# Altium PCB ADAPTONE_CARTE_DE_SON.PcbDoc (part 1 of 2) (continued)
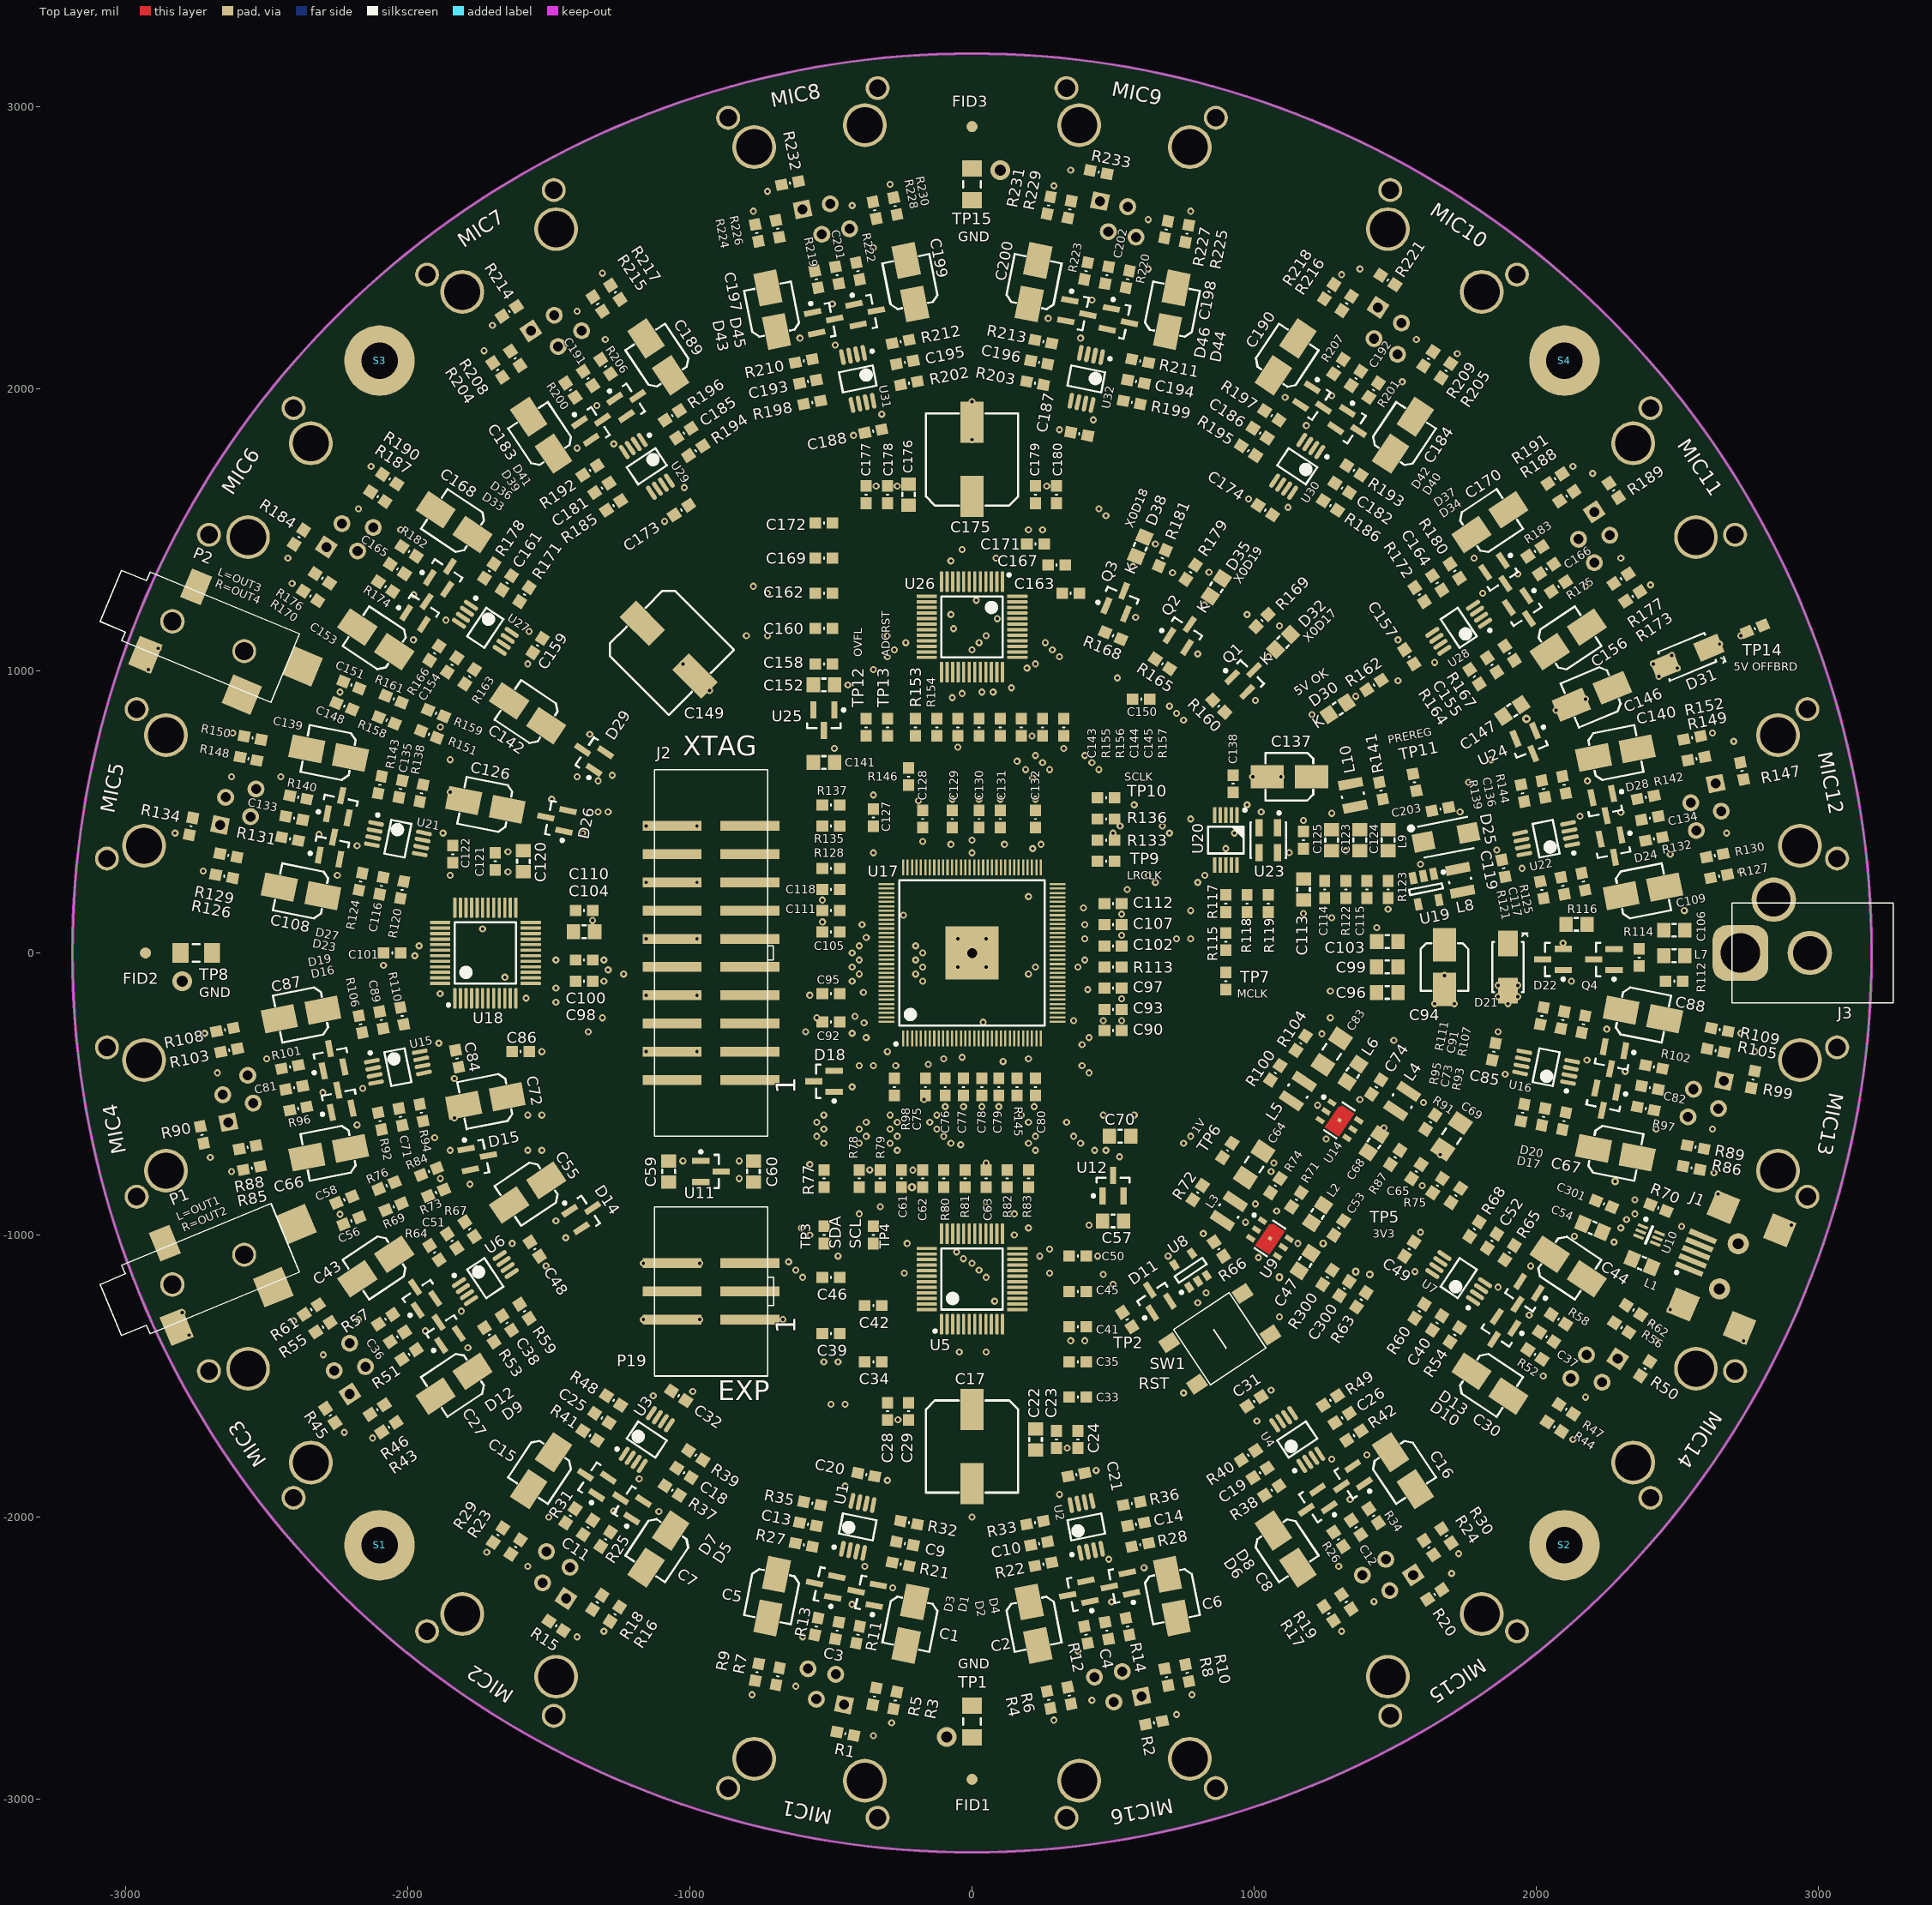
[diagram p0: Top Layer view]
## Design rules (kind name [scope] priority, off if disabled: settings) (continued)
Width [All] p1: maxlimit=100 minlimit=7.87 preferedwidth=10 toplayer_prefwidth=8 midlayer1_minwidth=10 midlayer1_maxwidth=10 midlayer2_minwidth=10 midlayer2_maxwidth=10 bottomlayer_prefwidth=8 minimp=50.000000 maximp=50.000000 favimp=50.000000
28 further rules are at their usual default settings.

## Classes and differential pairs
channel class InputAmplifier: InputAmplifier01 InputAmplifier02 InputAmplifier03 InputAmplifier04 InputAmplifier05 InputAmplifier06 InputAmplifier07 InputAmplifier08 InputAmplifier09 InputAmplifier010 InputAmplifier011 InputAmplifier012 InputAmplifier013 InputAmplifier014 InputAmplifier015 InputAmplifier016 InputAmplifier017 InputAmplifier018 InputAmplifier019 InputAmplifier020 InputAmplifier021 InputAmplifier022 InputAmplifier023 InputAmplifier024
channel class AudioInputs_8: AudioInputs_1-8 AudioInputs_9-15 AudioInputs_17-24
channel class ADC: ADC1 ADC2 ADC3
component class XMOS_power: C47 C53 C64 C65 C68 C69 C74 C75 C76 C77 C78 C79 C80 C83 C90 C92 C93 C95 C97 C102 C105 C107 C111 C112 C118 C127 C128 C129 C130 C131 C132 C300 C301 L2 L3 L4 L5 L6 R63 R66 R71 R72 R74 R75 R87 R91 R100 R104 R128 R300 SW1 SW2 U8 U9 U14
component class TopLevel: FID1 FID2 FID3 FID4 FID5 FID6 R115 R146 S1 S2 S3 S4 TP1 TP3 TP4 TP5 TP6 TP7 TP8 TP9 TP10 TP11 TP12 TP13 TP14 TP15
component class InputAmplifier12: C41 C67 C73 C82 C85 C88 C91 D17 D20 MIC13 P2_InputAmplifier016 R86 R89 R93 R95 R97 R99 R102 R105 R107 R109 R111 U16
component class InputAmplifier22: C30 C37 C40 C44 C45 C49 C52 D10 D13 MIC14 P2_InputAmplifier015 R42_InputAmplifier22 R44 R47 R50 R52 R54 R56 R58 R60 R62 R65 R68 R71_InputAmplifier22 U7
component class InputAmplifier32: C8 C12 C16 C19 C26 C31 C35 D6 D8 MIC15 P2_InputAmplifier014 R17 R19 R20 R24 R26 R30 R34 R38 R40 R42 R49 U4
component class InputAmplifier42: C2 C4 C6 C10 C14 C21 C33 D2 D4 MIC16 P2_InputAmplifier013 R2 R4 R6 R8 R10 R12 R14 R22 R28 R33 R36 U2
component class InputAmplifier52: C1 C3 C5 C9 C13 C20 C39 D1 D3 MIC1 P2_InputAmplifier012 R1 R3 R5 R7 R9 R11 R13 R21 R27 R32 R35 U1
component class InputAmplifier62: C7 C11 C15 C18 C25 C32 C34 D5 D7 MIC2 P2_InputAmplifier011 R15 R16 R18 R23 R25 R29 R31 R37 R39 R41 R48 U3
component class InputAmplifier72: C27 C36 C38 C42 C43 C48 C51 D9 D12 MIC3 P2_InputAmplifier010 R43 R45 R46 R51 R53 R55 R57 R59 R61 R64 R67 U6
component class InputAmplifier82: C46 C66 C71 C81 C84 C87 C89 D16 D19 MIC4 P2_InputAmplifier09 R85 R88 R90 R92 R94 R96 R101 R103 R106 R108 R110 U15
component class InputAmplifier41: C172 C188 C193 C195 C197 C199 C201 D43 D45 MIC8 P2_InputAmplifier08 R198 R202 R210 R212 R219 R222 R224 R226 R228 R230 R232 U31
component class InputAmplifier21: C153 C154 C159 C160 C161 C165 C168 D33 D36 MIC6 P2_InputAmplifier07 R163 R166 R170 R171 R174 R176 R178 R182 R184 R187 R190 U27
component class InputAmplifier31: C169 C173 C181 C183 C185 C189 C191 D39 D41 MIC7 P2_InputAmplifier06 R185 R192 R194 R196 R200 R204 R206 R208 R214 R215 R217 U29
component class InputAmplifier51: C167 C187 C194 C196 C198 C200 C202 D44 D46 MIC9 P2_InputAmplifier04 R199 R203 R211 R213 R220 R223 R225 R227 R229 R231 R233 U32
component class InputAmplifier61: C171 C174 C182 C184 C186 C190 C192 D40 D42 MIC10 P2_InputAmplifier03 R186 R193 R195 R197 R201 R205 R207 R209 R216 R218 R221 U30
component class InputAmplifier71: C155 C156 C157 C163 C164 C166 C170 D34 D37 MIC11 P2_InputAmplifier02 R164 R167 R172 R173 R175 R177 R180 R183 R188 R189 R191 U28
component class InputAmplifier81: C109 C117 C119 C134 C136 C140 C150 D24 D28 MIC12 P2_InputAmplifier01 R121 R125 R127 R130 R132 R139 R142 R144 R147 R149 R152 U22
component class ADC1: C141 C143 C144 C145 C152 C158 C175 C176 C177 C178 C179 C180 R153 R154 R155 R156 R157 U25 U26
component class XMOS1: C54 D11 D18 J1 J2 J4 L1 R70 R77 R78 R98 R113 R133 R135 R136 R137 R145 TP2 U10 U17
component class Power1: C94 C96 C99 C103 C106 C113 C114 C115 C123 C124 C137 C146 C147 C203 D21 D22 D25 D30 D31 D103 J3 L7 L8 L9 L10 Q4 R112 R114 R116 R122 R123 R141 R162 U19 U24
component class Other1: D32 D35 D38 D100 D101 D102 P19 Q1 Q2 Q3 R160 R165 R168 R169 R179 R181
component class Clock1: C125 C138 R117 R118 R119 U20 U23
component class InputAmplifier11: C108 C116 C122 C133 C135 C139 C162 D23 D27 MIC5 R120 R124 R126 R129 R131 R134 R138 R140 R143 R148 R150 U21
component class DAC: C59 C60 C86 C98 C100 C101 C104 C110 C120 C121 C149 U11 U18
component class OutputConnectors: C55 C56 C58 C72 C126 C142 C148 C151 D14 D15 D26 D29 P1 P2 R69 R73 R76 R84 R151 R158 R159 R161
component class ADC2: C17 C22 C23 C24 C28 C29 C50 C57 C61 C62 C63 C70 R79 R80 R81 R82 R83 U5 U12
differential pair USB_DA: +USB_DA_P -USB_DA_N
differential pair USB_D: +USB_D_P -USB_D_N
differential pair IN1: +IN1_P -IN1_N
differential pair IN2: +IN2_P -IN2_N
differential pair IN3: +IN3_P -IN3_N
differential pair IN4: +IN4_P -IN4_N
differential pair IN5: +IN5_P -IN5_N
differential pair IN6: +IN6_P -IN6_N
differential pair IN7: +IN7_P -IN7_N
differential pair IN8: +IN8_P -IN8_N
differential pair IN9: +IN9_P -IN9_N
differential pair IN10: +IN10_P -IN10_N
differential pair IN11: +IN11_P -IN11_N
differential pair IN12: +IN12_P -IN12_N
differential pair IN13: +IN13_P -IN13_N
differential pair IN14: +IN14_P -IN14_N
differential pair IN15: +IN15_P -IN15_N
differential pair IN16: +IN16_P -IN16_N

## Components (designator, comment, footprint, x,y, rotation, side; value= is the part's Value field where it differs from the comment)
C1 "Capacitor_Polarized" CAP_RAD_SMD_DIA157 -218.14,-2378.14 r258.75 top (schematic designator C18)
C2 "Capacitor_Polarized" CAP_RAD_SMD_DIA157 218.14,-2378.14 r281.25 top (schematic designator C19)
C3 "Capacitor" 0603#1 -477.97,-2402.92 r78.75 top (schematic designator C20)
C4 "Capacitor" 0603#1 477.97,-2402.92 r101.25 top (schematic designator C21)
C5 "Capacitor_Polarized" CAP_RAD_SMD_DIA157 -708.54,-2280.59 r258.75 top (schematic designator C22)
C6 "Capacitor_Polarized" CAP_RAD_SMD_DIA157 708.54,-2280.59 r281.25 top (schematic designator C23)
C7 "Capacitor_Polarized" CAP_RAD_SMD_DIA157 -1111.61,-2113.63 r236.25 top (schematic designator C24)
C8 "Capacitor_Polarized" CAP_RAD_SMD_DIA157 1111.61,-2113.63 r303.75 top (schematic designator C25)
C9 "Capacitor" 0603#1 -238.05,-2093.79 r348.75 top (schematic designator C26)
C10 "Capacitor" 0603#1 238.05,-2093.79 r191.25 top (schematic designator C27)
C11 "Capacitor" 0603#1 -1361.15,-2037.1 r56.25 top (schematic designator C28)
C12 "Capacitor" 0603#1 1361.15,-2037.1 r123.75 top (schematic designator C29)
C13 "Capacitor" 0603#1 -581.33,-2025.51 r168.75 top
C14 "Capacitor" 0603#1 581.33,-2025.51 r11.25 top
C15 "Capacitor_Polarized" CAP_RAD_SMD_DIA157 -1527.35,-1835.85 r236.25 top
C16 "Capacitor_Polarized" CAP_RAD_SMD_DIA157 1527.35,-1835.85 r303.75 top
C17 "Capacitor_Polarized" CAP_RAD_SMD_DIA315 0,-1750 r270 top
C18 "Capacitor" 0603#1 -1021.19,-1843.31 r326.25 top (schematic designator C23)
C19 "Capacitor" 0603#1 1021.19,-1843.31 r213.75 top
C20 "Capacitor" 0603#1 -375,-1850 r348.75 top
C21 "Capacitor" 0603#1 370,-1850 r11.25 top
C22 "Capacitor" 0805 225,-1725 r270 top (schematic designator C25)
C23 "Capacitor" 0603#1 300,-1725 r270 top (schematic designator C26)
C24 "Capacitor" 0603#1 375,-1725 r270 top (schematic designator C20)
C25 "Capacitor" 0603#1 -1312.2,-1648.86 r146.25 top
C26 "Capacitor" 0603#1 1312.2,-1648.86 r33.75 top
C27 "Capacitor_Polarized" CAP_RAD_SMD_DIA157 -1835.85,-1527.35 r213.75 top
C28 "Capacitor" 0603#1 -300,-1625 r270 top (schematic designator C22)
C29 "Capacitor" 0603#1 -225,-1625 r270 top (schematic designator C24)
C30 "Capacitor_Polarized" CAP_RAD_SMD_DIA157 1835.85,-1527.35 r326.25 top
C31 "Capacitor" 0603#1 1000,-1590 r33.75 top
C32 "Capacitor" 0603#1 -1040,-1570 r326.25 top (schematic designator C75)
C33 "Capacitor" 0603#1 375,-1575 r0 top
C34 "Capacitor" 0603#1 -350,-1450 r0 top
C35 "Capacitor" 0603#1 375,-1450 r0 top
C36 "Capacitor" 0603#1 -2037.1,-1361.15 r33.75 top
C37 "Capacitor" 0603#1 2037.1,-1361.15 r146.25 top
C38 "Capacitor" 0603#1 -1648.86,-1312.2 r303.75 top (schematic designator C30)
C39 "Capacitor" 0603#1 -500,-1350 r0 top (schematic designator C31)
C40 "Capacitor" 0603#1 1648.86,-1312.2 r236.25 top (schematic designator C32)
C41 "Capacitor" 0603#1 375,-1325 r0 top (schematic designator C33)
C42 "Capacitor" 0603#1 -350,-1250 r180 top (schematic designator C34)
C43 "Capacitor_Polarized" CAP_RAD_SMD_DIA157 -2113.63,-1111.61 r213.75 top (schematic designator C35)
C44 "Capacitor_Polarized" CAP_RAD_SMD_DIA157 2113.63,-1111.61 r326.25 top (schematic designator C36)
C45 "Capacitor" 0603#1 375,-1200 r0 top (schematic designator C30)
C46 "Capacitor" 0603#1 -500,-1150 r180 top (schematic designator C31)
C47 "Capacitor" 0805 1180.86,-1095.53 r56.25 top (schematic designator C37)
C48 "Capacitor" 0603#1 -1550,-1050 r303.75 top (schematic designator C33)
C49 "Capacitor" 0603#1 1550,-1050 r56.25 top (schematic designator C34)
C50 "Capacitor" 0603#1 375,-1075 r0 top (schematic designator C21)
C51 "Capacitor" 0603#1 -1843.31,-1021.19 r123.75 top (schematic designator C36)
C52 "Capacitor" 0603#1 1843.31,-1021.19 r56.25 top (schematic designator C30)
C53 "Capacitor" 0603#1 1300,-975 r236.25 top (schematic designator C44)
C54 "Capacitor" 0805 2200,-975 r157.5 top (schematic designator C17)
C55 "Capacitor_Polarized" CAP_RAD_SMD_DIA157 -1575,-850 r213.75 top (schematic designator C81)
C56 "Capacitor" 0603#1 -2200,-950 r202.5 top (schematic designator C82)
C57 "Capacitor" 0805 500,-950 r180 top (schematic designator C19)
C58 "Capacitor" 0603#1 -2225,-875 r202.5 top (schematic designator C84)
C59 "Capacitor" 0805 -1075,-775 r90 top (schematic designator C73)
C60 "Capacitor" 0805 -775,-775 r90 top (schematic designator C72)
C61 "Capacitor" 0603#1 -250,-800 r90 top (schematic designator C29)
C62 "Capacitor" 0603#1 -175,-800 r90 top (schematic designator C28)
C63 "Capacitor" 0603#1 50,-800 r90 top (schematic designator C27)
C64 "Capacitor" 1206 1000,-750 r56.25 top (schematic designator C43)
C65 "Capacitor" 0603#1 1575,-775 r236.25 top (schematic designator C39)
C66 "Capacitor_Polarized" CAP_RAD_SMD_DIA157 -2280.59,-708.54 r191.25 top (schematic designator C30)
C67 "Capacitor_Polarized" CAP_RAD_SMD_DIA157 2280.59,-708.54 r348.75 top (schematic designator C31)
C68 "Capacitor" 0805 1425,-675 r56.25 top (schematic designator C38)
C69 "Capacitor" 1206 1700,-650 r236.25 top (schematic designator C42)
C70 "Capacitor" 0805 525,-650 r180 top (schematic designator C18)
C71 "Capacitor" 0603#1 -2025.51,-581.33 r281.25 top (schematic designator C35)
C72 "Capacitor_Polarized" CAP_RAD_SMD_DIA157 -1725,-525 r191.25 top (schematic designator C83)
C73 "Capacitor" 0603#1 2025.51,-581.33 r258.75 top (schematic designator C30)
C74 "Capacitor" 0603#1 1433.05,-475.37 r236.25 top (schematic designator C41)
C75 "Capacitor" 0603#1 -165,-475 r270 top (schematic designator C32)
C76 "Capacitor" 0603#1 -95,-475 r270 top (schematic designator C33)
C77 "Capacitor" 0603#1 -30,-475 r270 top (schematic designator C34)
C78 "Capacitor" 0603#1 35,-475 r270 top (schematic designator C35)
C79 "Capacitor" 0603#1 95,-475 r270 top (schematic designator C36)
C80 "Capacitor" 0603#1 225,-475 r270 top (schematic designator C30)
C81 "Capacitor" 0603#1 -2402.92,-477.97 r11.25 top (schematic designator C31)
C82 "Capacitor" 0603#1 2402.92,-477.97 r168.75 top (schematic designator C32)
C83 "Capacitor" 1206 1275,-350 r56.25 top (schematic designator C40)
C84 "Capacitor" 0603#1 -1825,-375 r281.25 top (schematic designator C34)
C85 "Capacitor" 0603#1 1850,-350 r78.75 top (schematic designator C35)
C86 "Capacitor" 0603#1 -1600,-350 r0 top (schematic designator C74)
C87 "Capacitor_Polarized" CAP_RAD_SMD_DIA157 -2378.14,-218.14 r191.25 top (schematic designator C30)
C88 "Capacitor_Polarized" CAP_RAD_SMD_DIA157 2378.14,-218.14 r348.75 top (schematic designator C31)
C89 "Capacitor" 0603#1 -2093.79,-238.05 r101.25 top (schematic designator C32)
C90 "Capacitor" 0603#1 500,-275 r0 top (schematic designator C33)
C91 "Capacitor" 0603#1 2093.79,-238.05 r78.75 top (schematic designator C34)
C92 "Capacitor" 0603#1 -500,-245 r180 top (schematic designator C35)
C93 "Capacitor" 0603#1 500,-200 r0 top (schematic designator C36)
C94 "Capacitor_Polarized" CAP_RAD_SMD_DIA157 1675,-50 r270 top (schematic designator C30)
C95 "Capacitor" 0603#1 -500,-145 r180 top (schematic designator C31)
C96 "Capacitor" 0805 1471.96,-139.93 r180 top (schematic designator C5)
C97 "Capacitor" 0603#1 500,-125 r0 top (schematic designator C33)
C98 "Capacitor" 0603#1 -1375,-100 r0 top (schematic designator C80)
C99 "Capacitor" 0805 1472.06,-49.79 r180 top (schematic designator C6)
C100 "Capacitor" 0603#1 -1375,-25 r0 top (schematic designator C79)
C101 "Capacitor" 0603#1 -2055.51,0 r180 top (schematic designator C76)
C102 "Capacitor" 0603#1 500,25 r0 top (schematic designator C31)
C103 "Capacitor" 0805 1472.15,40.35 r180 top (schematic designator C8)
C104 "Capacitor" 0805 -1375,75 r0 top (schematic designator C78)
C105 "Capacitor" 0603#1 -500,75 r180 top (schematic designator C34)
C106 "Capacitor" 0805 2489.3,80.6 r0 top (schematic designator C16)
C107 "Capacitor" 0603#1 500,100 r0 top (schematic designator C36)
C108 "Capacitor_Polarized" CAP_RAD_SMD_DIA157 -2378.14,218.14 r168.75 top (schematic designator C30)
C109 "Capacitor_Polarized" CAP_RAD_SMD_DIA157 2378.14,218.14 r11.25 top (schematic designator C31)
C110 "Capacitor" 0603#1 -1375,150 r0 top (schematic designator C77)
C111 "Capacitor" 0603#1 -500,150 r180 top (schematic designator C33)
C112 "Capacitor" 0603#1 500,175 r0 top (schematic designator C34)
C113 "Capacitor" 0805 1175,225 r270 top (schematic designator C11)
C114 "Capacitor" 0603#1 1250,225 r90 top (schematic designator C4)
C115 "Capacitor" 0603#1 1400,225 r270 top (schematic designator C3)
C116 "Capacitor" 0603#1 -2093.79,238.05 r258.75 top (schematic designator C31)
C117 "Capacitor" 0603#1 2093.79,238.05 r281.25 top (schematic designator C32)
C118 "Capacitor" 0603#1 -500,225 r180 top (schematic designator C33)
C119 "Capacitor" 0603#1 1884.05,299.93 r101.25 top (schematic designator C34)
C120 "Capacitor" 0805 -1590,325 r90 top (schematic designator C70)
C121 "Capacitor" 0603#1 -1690,325 r90 top (schematic designator C71)
C122 "Capacitor" 0603#1 -1840,350 r270 top
C123 "Capacitor" 0805 1275,400 r270 top (schematic designator C13)
C124 "Capacitor" 0805 1375,400 r270 top (schematic designator C12)
C125 "Capacitor" 0603#1 1175,400 r90 top (schematic designator C2)
C126 "Capacitor_Polarized" CAP_RAD_SMD_DIA157 -1725,525 r168.75 top (schematic designator C85)
C127 "Capacitor" 0603#1 -350,480 r90 top
C128 "Capacitor" 0603#1 -175,475 r90 top
C129 "Capacitor" 0603#1 -70,475 r90 top (schematic designator C30)
C130 "Capacitor" 0603#1 25,475 r90 top (schematic designator C31)
C131 "Capacitor" 0603#1 100,475 r90 top (schematic designator C32)
C132 "Capacitor" 0603#1 225,475 r90 top (schematic designator C33)
C133 "Capacitor" 0603#1 -2402.92,477.97 r348.75 top (schematic designator C34)
C134 "Capacitor" 0603#1 2402.92,477.97 r191.25 top (schematic designator C35)
C135 "Capacitor" 0603#1 -2025.51,581.33 r78.75 top (schematic designator C36)
C136 "Capacitor" 0603#1 2025.51,581.33 r101.25 top (schematic designator C30)
C137 "Capacitor_Polarized" CAP_RAD_SMD_DIA157 1125,625 r180 top (schematic designator C31)
C138 "Capacitor" 0603#1 925,600 r90 top (schematic designator C1)
C139 "Capacitor_Polarized" CAP_RAD_SMD_DIA157 -2280.59,708.54 r168.75 top (schematic designator C33)
C140 "Capacitor_Polarized" CAP_RAD_SMD_DIA157 2280.59,708.54 r11.25 top (schematic designator C34)
C141 "Capacitor" 0805 -525,675 r0 top (schematic designator C35)
C142 "Capacitor_Polarized" CAP_RAD_SMD_DIA157 -1575,850 r146.25 top (schematic designator C87)
C143 "Capacitor" 0603#1 -50,800 r270 top (schematic designator C30)
C144 "Capacitor" 0603#1 175,800 r270 top (schematic designator C31)
C145 "Capacitor" 0603#1 250,800 r270 top (schematic designator C32)
C146 "Capacitor_Polarized" CAP_RAD_SMD_DIA157 2197.11,910.08 r202.5 top (schematic designator C33)
C147 "Capacitor" 0805 1915,860 r33.75 top (schematic designator C14)
C148 "Capacitor" 0603#1 -2225,875 r157.5 top (schematic designator C86)
C149 "Capacitor_Polarized" CAP_RAD_SMD_DIA315 -1075,1075 r315 top (schematic designator C36)
C150 "Capacitor" 0603#1 600,900 r0 top
C151 "Capacitor" 0603#1 -2200,950 r157.5 top (schematic designator C88)
C152 "Capacitor" 0805 -525,950 r0 top
C153 "Capacitor_Polarized" CAP_RAD_SMD_DIA157 -2113.63,1111.61 r146.25 top
C154 "Capacitor" 0603#1 -1843.31,1021.19 r236.25 top
C155 "Capacitor" 0603#1 1843.31,1021.19 r303.75 top (schematic designator C31)
C156 "Capacitor_Polarized" CAP_RAD_SMD_DIA157 2113.63,1111.61 r33.75 top (schematic designator C30)
C157 "Capacitor" 0603#1 1550,1050 r123.75 top (schematic designator C36)
C158 "Capacitor" 0603#1 -525,1025 r0 top
C159 "Capacitor" 0603#1 -1540,1090 r236.25 top
C160 "Capacitor" 0603#1 -525,1150 r180 top
C161 "Capacitor" 0603#1 -1648.86,1312.2 r56.25 top
C162 "Capacitor" 0603#1 -525,1275 r0 top (schematic designator C7)
C163 "Capacitor" 0603#1 350,1275 r180 top (schematic designator C32)
C164 "Capacitor" 0603#1 1648.86,1312.2 r123.75 top (schematic designator C35)
C165 "Capacitor" 0603#1 -2037.1,1361.15 r326.25 top (schematic designator C10)
C166 "Capacitor" 0603#1 2037.1,1361.15 r213.75 top (schematic designator C33)
C167 "Capacitor" 0603#1 300,1375 r180 top
C168 "Capacitor_Polarized" CAP_RAD_SMD_DIA157 -1835.85,1527.35 r146.25 top
C169 "Capacitor" 0603#1 -525,1400 r180 top
C170 "Capacitor_Polarized" CAP_RAD_SMD_DIA157 1835.85,1527.35 r33.75 top (schematic designator C34)
C171 "Capacitor" 0603#1 225,1450 r180 top
C172 "Capacitor" 0603#1 -525,1525 r180 top
C173 "Capacitor" 0603#1 -1030,1570 r213.75 top
C174 "Capacitor" 0603#1 1040,1570 r146.25 top
C175 "Capacitor_Polarized" CAP_RAD_SMD_DIA315 0,1750 r90 top
C176 "Capacitor" 0805 -225,1625 r90 top
C177 "Capacitor" 0603#1 -375,1625 r90 top
C178 "Capacitor" 0603#1 -300,1625 r90 top
C179 "Capacitor" 0603#1 225,1625 r90 top
C180 "Capacitor" 0603#1 300,1625 r90 top
C181 "Capacitor" 0603#1 -1312.2,1648.86 r213.75 top
C182 "Capacitor" 0603#1 1312.2,1648.86 r326.25 top (schematic designator C46)
C183 "Capacitor_Polarized" CAP_RAD_SMD_DIA157 -1527.35,1835.85 r123.75 top (schematic designator C47)
C184 "Capacitor_Polarized" CAP_RAD_SMD_DIA157 1527.35,1835.85 r56.25 top (schematic designator C48)
C185 "Capacitor" 0603#1 -1021.19,1843.31 r33.75 top (schematic designator C49)
C186 "Capacitor" 0603#1 1021.19,1843.31 r146.25 top (schematic designator C50)
C187 "Capacitor" 0603#1 380,1840 r168.75 top (schematic designator C51)
C188 "Capacitor" 0603#1 -350,1850 r191.25 top (schematic designator C52)
C189 "Capacitor_Polarized" CAP_RAD_SMD_DIA157 -1111.61,2113.63 r123.75 top (schematic designator C53)
C190 "Capacitor_Polarized" CAP_RAD_SMD_DIA157 1111.61,2113.63 r56.25 top (schematic designator C54)
C191 "Capacitor" 0603#1 -1361.15,2037.1 r303.75 top (schematic designator C55)
C192 "Capacitor" 0603#1 1361.15,2037.1 r236.25 top (schematic designator C56)
C193 "Capacitor" 0603#1 -581.33,2025.51 r191.25 top (schematic designator C57)
C194 "Capacitor" 0603#1 581.33,2025.51 r348.75 top (schematic designator C58)
C195 "Capacitor" 0603#1 -238.05,2093.79 r11.25 top (schematic designator C59)
C196 "Capacitor" 0603#1 238.05,2093.79 r168.75 top (schematic designator C60)
C197 "Capacitor_Polarized" CAP_RAD_SMD_DIA157 -708.54,2280.59 r101.25 top (schematic designator C61)
C198 "Capacitor_Polarized" CAP_RAD_SMD_DIA157 708.54,2280.59 r78.75 top (schematic designator C62)
C199 "Capacitor_Polarized" CAP_RAD_SMD_DIA157 -218.14,2378.14 r101.25 top (schematic designator C63)
C200 "Capacitor_Polarized" CAP_RAD_SMD_DIA157 218.14,2378.14 r78.75 top (schematic designator C64)
C201 "Capacitor" 0603#1 -477.97,2402.92 r281.25 top (schematic designator C65)
C202 "Capacitor" 0603#1 477.97,2402.92 r258.75 top (schematic designator C66)
C203 "Capacitor" 0603#1 1660,510 r11.25 top (schematic designator C15)
C300 "Capacitor" 0603#1 1320,-1190 r56.25 top (schematic designator C45)
C301 "Capacitor" 0603#1 2240,-890 r157.5 top (schematic designator C69)
D1 "Diode_dual" SOT23_132 -375.15,-2270.44 r168.75 top (schematic designator D15)
D2 "Diode_dual" SOT23_132 375.15,-2270.44 r191.25 top (schematic designator D16)
D3 "Diode_dual" SOT23_132 -522.27,-2241.17 r168.75 top (schematic designator D15)
D4 "Diode_dual" SOT23_132 522.27,-2241.17 r191.25 top (schematic designator D16)
D5 "Diode_dual" SOT23_132 -1215.45,-1954.05 r146.25 top (schematic designator D15)
D6 "Diode_dual" SOT23_132 1215.45,-1954.05 r213.75 top (schematic designator D16)
D7 "Diode_dual" SOT23_132 -1340.17,-1870.71 r146.25 top (schematic designator D15)
D8 "Diode_dual" SOT23_132 1340.17,-1870.71 r213.75 top (schematic designator D16)
D9 "Diode_dual" SOT23_132 -1870.71,-1340.17 r123.75 top (schematic designator D15)
D10 "Diode_dual" SOT23_132 1870.71,-1340.17 r236.25 top (schematic designator D16)
D11 "Diode_dual" SOT23_132 650,-1225 r123.75 top (schematic designator D15)
D12 "Diode_dual" SOT23_132 -1954.05,-1215.45 r123.75 top (schematic designator D16)
D13 "Diode_dual" SOT23_132 1954.05,-1215.45 r236.25 top (schematic designator D15)
D14 "Diode_dual" SOT23_132 -1375,-925 r33.75 top (schematic designator D17)
D15 "Diode_dual" SOT23_132 -1750,-725 r11.25 top (schematic designator D18)
D16 "Diode_dual" SOT23_132 -2241.17,-522.27 r101.25 top
D17 "Diode_dual" SOT23_132 2241.17,-522.27 r258.75 top (schematic designator D15)
D18 "Diode_dual" SOT23_132 -525,-455 r180 top (schematic designator D16)
D19 "Diode_dual" SOT23_132 -2270.44,-375.15 r101.25 top (schematic designator D15)
D20 "Diode_dual" SOT23_132 2270.44,-375.15 r258.75 top (schematic designator D16)
D21 "Diode_zener" DIODE_DO-214AC/SMA 1900,-50 r270 top (schematic designator D8)
D22 "Diode_dual" SOT23_132 2059.3,-22.96 r180 top (schematic designator D12)
D23 "Diode_dual" SOT23_132 -2270.44,375.15 r78.75 top (schematic designator D15)
D24 "Diode_dual" SOT23_132 2270.44,375.15 r281.25 top (schematic designator D16)
D25 "Diode" DIODE_SMA 1680,410 r11.25 top
D26 "Diode_dual" SOT23_132 -1475,475 r168.75 top (schematic designator D19)
D27 "Diode_dual" SOT23_132 -2241.17,522.27 r78.75 top (schematic designator D15)
D28 "Diode_dual" SOT23_132 2241.17,522.27 r281.25 top (schematic designator D16)
D29 "Diode_dual" SOT23_132 -1350,700 r146.25 top (schematic designator D20)
D30 "Diode_LED" 0805_LED 1296.24,866.12 r33.75 top (schematic designator D9)
D31 "Diode_zener" DIODE_DO-214AC/SMA 2534.92,1050 r202.5 top (schematic designator D11)
D32 "Diode_LED" 0805_LED 1102.36,1102.36 r45 top (schematic designator D16)
D33 "Diode_dual" SOT23_132 -1954.05,1215.45 r56.25 top (schematic designator D1)
D34 "Diode_dual" SOT23_132 1954.05,1215.45 r303.75 top (schematic designator D15)
D35 "Diode_LED" 0805_LED 866.12,1296.24 r56.25 top (schematic designator D3)
D36 "Diode_dual" SOT23_132 -1870.71,1340.17 r56.25 top
D37 "Diode_dual" SOT23_132 1870.71,1340.17 r303.75 top (schematic designator D16)
D38 "Diode_LED" 0805_LED 596.59,1440.31 r67.5 top
D39 "Diode_dual" SOT23_132 -1340.17,1870.71 r33.75 top
D40 "Diode_dual" SOT23_132 1340.17,1870.71 r326.25 top
D41 "Diode_dual" SOT23_132 -1215.45,1954.05 r33.75 top
D42 "Diode_dual" SOT23_132 1215.45,1954.05 r326.25 top
D43 "Diode_dual" SOT23_132 -522.27,2241.17 r11.25 top (schematic designator D7)
D44 "Diode_dual" SOT23_132 522.27,2241.17 r348.75 top
D45 "Diode_dual" SOT23_132 -375.15,2270.44 r11.25 top
D46 "Diode_dual" SOT23_132 375.15,2270.44 r348.75 top
D100 "Diode_LED" 0805_LED 1102.36,1102.36 r45 bottom (schematic designator D2)
D101 "Diode_LED" 0805_LED 596.59,1440.31 r67.5 bottom (schematic designator D6)
D102 "Diode_LED" 0805_LED 866.12,1296.24 r56.25 bottom (schematic designator D4)
D103 "Diode_LED" 0805_LED 1296.24,866.12 r33.75 bottom (schematic designator D10)
FID1 "Fiducial" FIDUCIAL 0,-2930 r180 top (schematic designator FID3)
FID2 "Fiducial" FIDUCIAL -2930,0 r90 top
FID3 "Fiducial" FIDUCIAL 0,2930 r270 top (schematic designator FID1)
FID4 "Fiducial" FIDUCIAL -3020,0 r90 bottom
FID5 "Fiducial" FIDUCIAL 0,-3020 r90 bottom
FID6 "Fiducial" FIDUCIAL 0,3020 r90 bottom
J1 "USB_MINIB_690-005-299-043" CONN_USB_MINIB_690-005-299-043 2679.25,-1109.78 r337.5 top locked
J2 "CON20" CONN20_100mils_pol_SMD -925,0 r90 top
J3 "CON_POWER_RAPC712X" CONN_2.5mmID5.5mmOD_RAPC712X 2970,0 r90 top (schematic designator J1)
L1 "Ferrite" 0805 2375,-1100 r337.5 top (schematic designator L5)
L2 "Ferrite" 0805 1225,-925 r56.25 top (schematic designator L10)
L3 "Inductor" IND_252012CDMC/DS 910.63,-914.97 r56.25 top
L4 "Inductor" IND_252012CDMC/DS 1525,-525 r56.25 top (schematic designator L8)
L5 "Inductor" IND_252012CDMC/DS 1155,-490 r56.25 top
L6 "Ferrite" 0805 1350,-425 r56.25 top (schematic designator L7)
L7 "Ferrite" 0805 2489.21,-9.54 r180 top (schematic designator L4)
L8 "Inductor" IND_252012CDMC/DS 1730.23,257.47 r101.25 top (schematic designator L1)
L9 "Ferrite" 0805 1475,400 r90 top (schematic designator L2)
L10 "Inductor" IND_252012CDMC/DS 1350,559.19 r101.25 top (schematic designator L3)
MIC1 "CON6_5555140-2" CONN4_5555140-2 -576.05,-2896.02 r168.75 bottom
MIC2 "CON6_5555140-2" CONN4_5555140-2 -1640.46,-2455.13 r146.25 bottom
MIC3 "CON6_5555140-2" CONN4_5555140-2 -2455.13,-1640.46 r123.75 bottom
MIC4 "CON6_5555140-2" CONN4_5555140-2 -2896.02,-576.05 r101.25 bottom
MIC5 "CON6_5555140-2" CONN4_5555140-2 -2896.02,576.05 r78.75 bottom
MIC6 "CON6_5555140-2" CONN4_5555140-2 -2455.13,1640.46 r56.25 bottom
MIC7 "CON6_5555140-2" CONN4_5555140-2 -1640.47,2455.13 r33.75 bottom (schematic designator P2)
MIC8 "CON6_5555140-2" CONN4_5555140-2 -576.05,2896.02 r11.25 bottom
MIC9 "CON6_5555140-2" CONN4_5555140-2 576.05,2896.02 r348.75 bottom
MIC10 "CON6_5555140-2" CONN4_5555140-2 1640.46,2455.13 r326.25 bottom
MIC11 "CON6_5555140-2" CONN4_5555140-2 2455.13,1640.46 r303.75 bottom
MIC12 "CON6_5555140-2" CONN4_5555140-2 2896.02,576.05 r281.25 bottom
MIC13 "CON6_5555140-2" CONN4_5555140-2 2896.02,-576.05 r258.75 bottom
MIC14 "CON6_5555140-2" CONN4_5555140-2 2455.13,-1640.46 r236.25 bottom
MIC15 "CON6_5555140-2" CONN4_5555140-2 1640.46,-2455.13 r213.75 bottom
MIC16 "CON6_5555140-2" CONN4_5555140-2 576.05,-2896.02 r191.25 bottom
P1 "CON_AUDIO_3.5mm_TRS_ALT1" "CONN_3.5mm_CUI 3523-SMT" -2998.31,-1243.27 r22.5 top (schematic designator P3)
P2 "CON_AUDIO_3.5mm_TRS_ALT1" "CONN_3.5mm_CUI 3523-SMT" -2998.29,1243.26 r337.5 top (schematic designator P4)
P19 "CON6_3020-06-0300-00" CONN6_100mils_pol_SMD -925,-1200 r90 top (schematic designator P1)
Q1 "BJT_N_GDS" SOT23_GDS 974.3,977.2 r45 top
Q2 "BJT_N_GDS" SOT23_GDS 751.33,1134.5 r56.25 top
Q3 "BJT_N_GDS" SOT23_GDS 525,1250 r67.5 top
Q4 "MOSFET_P_GDS" SOT23_GDS 2239.58,-23.14 r180 top
R1 "Resistor" 0603#1 -448.71,-2768.41 r348.75 top (schematic designator R29)
R2 "Resistor" 0603#1 644.87,-2729.39 r11.25 top (schematic designator R30)
R3 "Resistor" 0603#1 -272.33,-2650.56 r78.75 top (schematic designator R31)
R4 "Resistor" 0603#1 271.79,-2647.85 r101.25 top (schematic designator R32)
R5 "Resistor" 0603#1 -345.89,-2635.92 r78.75 top (schematic designator R33)
R6 "Resistor" 0603#1 345.35,-2633.22 r101.25 top
R7 "Resistor" 0603#1 -688.63,-2564.94 r78.75 top
R8 "Resistor" 0603#1 689.16,-2567.64 r101.25 top
R9 "Resistor" 0603#1 -762.19,-2550.31 r78.75 top
R10 "Resistor" 0603#1 762.72,-2553.01 r101.25 top
R11 "Resistor" 0603#1 -404.41,-2417.56 r258.75 top
R12 "Resistor" 0603#1 404.41,-2417.56 r101.25 top
R13 "Resistor" 0603#1 -551.53,-2388.29 r78.75 top
R14 "Resistor" 0603#1 551.53,-2388.29 r281.25 top (schematic designator R34)
R15 "Resistor" 0603#1 -1473.98,-2385.96 r326.25 top (schematic designator R35)
R16 "Resistor" 0603#1 -1265.92,-2344.58 r56.25 top (schematic designator R36)
R17 "Resistor" 0603#1 1264.39,-2342.29 r123.75 top (schematic designator R37)
R18 "Resistor" 0603#1 -1328.29,-2302.91 r56.25 top (schematic designator R38)
R19 "Resistor" 0603#1 1326.75,-2300.62 r123.75 top (schematic designator R39)
R20 "Resistor" 0603#1 1640.27,-2274.85 r33.75 top (schematic designator R40)
R21 "Resistor" 0603#1 -252.68,-2167.35 r348.75 top
R22 "Resistor" 0603#1 252.68,-2167.35 r191.25 top (schematic designator R42)
R23 "Resistor" 0603#1 -1617.77,-2106.17 r56.25 top
R24 "Resistor" 0603#1 1619.3,-2108.46 r123.75 top (schematic designator R44)
R25 "Resistor" 0603#1 -1298.79,-2078.77 r236.25 top (schematic designator R34)
R26 "Resistor" 0603#1 1298.79,-2078.77 r123.75 top (schematic designator R35)
R27 "Resistor" 0603#1 -595.96,-2099.07 r168.75 top (schematic designator R36)
R28 "Resistor" 0603#1 595.96,-2099.07 r11.25 top (schematic designator R37)
R29 "Resistor" 0603#1 -1680.13,-2064.5 r56.25 top (schematic designator R38)
R30 "Resistor" 0603#1 1681.66,-2066.79 r123.75 top (schematic designator R39)
R31 "Resistor" 0603#1 -1423.51,-1995.43 r56.25 top (schematic designator R40)
R32 "Resistor" 0603#1 -223.42,-2020.23 r348.75 top (schematic designator R41)
R33 "Resistor" 0603#1 223.42,-2020.23 r191.25 top (schematic designator R42)
R34 "Resistor" 0603#1 1423.51,-1995.43 r303.75 top (schematic designator R43)
R35 "Resistor" 0603#1 -566.7,-1951.95 r168.75 top (schematic designator R44)
R36 "Resistor" 0603#1 566.7,-1951.95 r11.25 top (schematic designator R34)
R37 "Resistor" 0603#1 -1062.86,-1905.67 r326.25 top (schematic designator R35)
R38 "Resistor" 0603#1 1062.86,-1905.67 r213.75 top (schematic designator R36)
R39 "Resistor" 0603#1 -979.52,-1780.95 r326.25 top (schematic designator R37)
R40 "Resistor" 0603#1 979.52,-1780.95 r213.75 top (schematic designator R38)
R41 "Resistor" 0603#1 -1353.87,-1711.22 r146.25 top
R42 "Resistor" 0603#1 1353.87,-1711.22 r33.75 top (schematic designator R40)
R43 "Resistor" 0603#1 -2066.79,-1681.66 r33.75 top (schematic designator R41)
R44 "Resistor" 0603#1 2064.5,-1680.13 r146.25 top (schematic designator R42)
R45 "Resistor" 0603#1 -2274.85,-1640.27 r303.75 top (schematic designator R43)
R46 "Resistor" 0603#1 -2108.46,-1619.3 r33.75 top (schematic designator R44)
R47 "Resistor" 0603#1 2106.17,-1617.77 r146.25 top (schematic designator R34)
R48 "Resistor" 0603#1 -1270.54,-1586.5 r146.25 top (schematic designator R35)
R49 "Resistor" 0603#1 1270.54,-1586.5 r33.75 top (schematic designator R36)
R50 "Resistor" 0603#1 2385.96,-1473.98 r56.25 top (schematic designator R37)
R51 "Resistor" 0603#1 -1995.43,-1423.51 r213.75 top (schematic designator R38)
R52 "Resistor" 0603#1 1995.43,-1423.51 r146.25 top (schematic designator R39)
R53 "Resistor" 0603#1 -1711.22,-1353.87 r303.75 top (schematic designator R40)
R54 "Resistor" 0603#1 1711.22,-1353.87 r236.25 top
R55 "Resistor" 0603#1 -2300.62,-1326.75 r33.75 top (schematic designator R42)
R56 "Resistor" 0603#1 2302.91,-1328.29 r146.25 top (schematic designator R41)
R57 "Resistor" 0603#1 -2078.77,-1298.79 r33.75 top (schematic designator R44)
R58 "Resistor" 0603#1 2078.77,-1298.79 r326.25 top (schematic designator R34)
R59 "Resistor" 0603#1 -1586.5,-1270.54 r303.75 top (schematic designator R35)
R60 "Resistor" 0603#1 1586.5,-1270.54 r236.25 top (schematic designator R36)
R61 "Resistor" 0603#1 -2342.29,-1264.39 r33.75 top (schematic designator R37)
R62 "Resistor" 0603#1 2344.58,-1265.92 r146.25 top (schematic designator R43)
R63 "Resistor" 0603#1 1380,-1230 r236.25 top (schematic designator R49)
R64 "Resistor" 0603#1 -1905.67,-1062.86 r123.75 top (schematic designator R40)
R65 "Resistor" 0603#1 1905.67,-1062.86 r56.25 top (schematic designator R41)
R66 "Resistor" 0603#1 875,-1050 r123.75 top (schematic designator R56)
R67 "Resistor" 0603#1 -1780.95,-979.52 r123.75 top (schematic designator R43)
R68 "Resistor" 0603#1 1780.95,-979.52 r56.25 top (schematic designator R44)
R69 "Resistor" 0603#1 -2050,-900 r202.5 top (schematic designator R57)
R70 "Resistor" 0603#1 2432.8,-903.93 r157.5 top (schematic designator R35)
R71 "Resistor" 0603#1 1150,-875 r56.25 top (schematic designator R48)
R72 "Resistor" 0603#1 800,-850 r236.25 top (schematic designator R55)
R73 "Resistor" 0603#1 -1900,-850 r202.5 top (schematic designator R58)
R74 "Resistor" 0603#1 1075,-825 r56.25 top (schematic designator R52)
R75 "Resistor" 0603#1 1650,-825 r236.25 top (schematic designator R50)
R76 "Resistor" 0603#1 -2075,-825 r202.5 top (schematic designator R59)
R77 "Resistor" 0603#1 -525,-800 r270 top (schematic designator R19)
R78 "Resistor" 0603#1 -400,-800 r270 top (schematic designator R20)
R79 "Resistor" 0603#1 -325,-800 r270 top (schematic designator R29)
R80 "Resistor" 0603#1 -100,-800 r90 top (schematic designator R32)
R81 "Resistor" 0603#1 -25,-800 r90 top (schematic designator R30)
R82 "Resistor" 0603#1 125,-800 r90 top (schematic designator R31)
R83 "Resistor" 0603#1 200,-800 r90 top (schematic designator R33)
R84 "Resistor" 0603#1 -1925,-775 r202.5 top (schematic designator R60)
R85 "Resistor" 0603#1 -2553.01,-762.72 r11.25 top (schematic designator R39)
R86 "Resistor" 0603#1 2550.31,-762.19 r168.75 top (schematic designator R40)
R87 "Resistor" 0603#1 1500,-725 r56.25 top (schematic designator R46)
R88 "Resistor" 0603#1 -2567.64,-689.16 r11.25 top (schematic designator R42)
R89 "Resistor" 0603#1 2564.94,-688.63 r168.75 top (schematic designator R43)
R90 "Resistor" 0603#1 -2729.39,-644.87 r281.25 top (schematic designator R44)
R91 "Resistor" 0603#1 1625,-600 r236.25 top (schematic designator R45)
R92 "Resistor" 0603#1 -2099.07,-595.96 r281.25 top (schematic designator R35)
R93 "Resistor" 0603#1 2099.07,-595.96 r258.75 top (schematic designator R36)
R94 "Resistor" 0603#1 -1951.95,-566.69 r281.25 top (schematic designator R37)
R95 "Resistor" 0603#1 1951.95,-566.7 r258.75 top (schematic designator R38)
R96 "Resistor" 0603#1 -2388.29,-551.53 r191.25 top (schematic designator R39)
R97 "Resistor" 0603#1 2388.29,-551.53 r168.75 top (schematic designator R40)
R98 "Resistor" 0603#1 -275,-475 r270 top (schematic designator R22)
R99 "Resistor" 0603#1 2768.41,-448.71 r78.75 top (schematic designator R42)
R100 "Resistor" 0603#1 1075,-425 r236.25 top (schematic designator R47)
R101 "Resistor" 0603#1 -2417.56,-404.41 r11.25 top (schematic designator R44)
R102 "Resistor" 0603#1 2417.56,-404.41 r348.75 top (schematic designator R34)
R103 "Resistor" 0603#1 -2633.22,-345.35 r11.25 top (schematic designator R35)
R104 "Resistor" 0603#1 1165,-320 r56.25 top (schematic designator R51)
R105 "Resistor" 0603#1 2635.92,-345.89 r168.75 top (schematic designator R37)
R106 "Resistor" 0603#1 -2167.35,-252.68 r101.25 top (schematic designator R38)
R107 "Resistor" 0603#1 2167.35,-252.68 r78.75 top (schematic designator R39)
R108 "Resistor" 0603#1 -2647.85,-271.79 r11.25 top (schematic designator R40)
R109 "Resistor" 0603#1 2650.56,-272.33 r168.75 top (schematic designator R41)
R110 "Resistor" 0603#1 -2020.23,-223.42 r101.25 top (schematic designator R42)
R111 "Resistor" 0603#1 2020.23,-223.42 r78.75 top (schematic designator R43)
R112 "Resistor" 0603#1 2489.11,-99.68 r180 top (schematic designator R16)
R113 "Resistor" 0603#1 500,-50 r180 top (schematic designator R27)
R114 "Resistor" 0603#2 2364.39,-16.34 r90 top (schematic designator R15)
R115 "Resistor" 0603#1 900,40 r90 top (schematic designator R17)
R116 "Resistor_PTC" 0805 2142.64,101.77 r180 top (schematic designator R37)
R117 "Resistor" 0603#1 900,175 r270 top (schematic designator R2)
R118 "Resistor" 0603#1 975,175 r270 top (schematic designator R3)
R119 "Resistor" 0603#1 1050,175 r270 top (schematic designator R1)
R120 "Resistor" 0603#1 -2020.23,223.42 r258.75 top (schematic designator R41)
R121 "Resistor" 0603#1 2020.23,223.42 r281.25 top (schematic designator R42)
R122 "Resistor" 0603#1 1325,225 r270 top (schematic designator R13)
R123 "Resistor" 0603#1 1475,225 r270 top (schematic designator R14)
R124 "Resistor" 0603#1 -2167.35,252.68 r258.75 top (schematic designator R34)
R125 "Resistor" 0603#1 2167.35,252.68 r281.25 top (schematic designator R35)
R126 "Resistor" 0603#1 -2650.84,271.6 r348.75 top (schematic designator R43)
R127 "Resistor" 0603#1 2647.85,271.79 r191.25 top (schematic designator R37)
R128 "Resistor" 0603#1 -500,300 r180 top (schematic designator R38)
R129 "Resistor" 0603#1 -2635.92,345.88 r348.75 top (schematic designator R41)
R130 "Resistor" 0603#1 2633.22,345.35 r191.25 top (schematic designator R40)
R131 "Resistor" 0603#1 -2417.56,404.41 r168.75 top (schematic designator R41)
R132 "Resistor" 0603#1 2417.56,404.41 r191.25 top (schematic designator R42)
R133 "Resistor" 0603#1 475,400 r180 top (schematic designator R23)
R134 "Resistor" 0603#1 -2768.41,448.71 r258.75 top (schematic designator R44)
R135 "Resistor" 0603#1 -500,450 r0 top (schematic designator R25)
R136 "Resistor" 0603#1 475,475 r180 top (schematic designator R24)
R137 "Resistor" 0603#1 -500,525 r0 top (schematic designator R26)
R138 "Resistor" 0603#1 -1951.95,566.7 r78.75 top (schematic designator R37)
R139 "Resistor" 0603#1 1951.95,566.7 r101.25 top (schematic designator R38)
R140 "Resistor" 0603#1 -2388.29,551.53 r348.75 top (schematic designator R39)
R141 "Resistor" 0603#1 1450,575 r281.25 top (schematic designator R10)
R142 "Resistor" 0603#1 2388.29,551.53 r11.25 top (schematic designator R41)
R143 "Resistor" 0603#1 -2099.07,595.96 r78.75 top (schematic designator R42)
R144 "Resistor" 0603#1 2099.07,595.96 r101.25 top (schematic designator R43)
R145 "Resistor" 0603#1 160,-475 r90 top (schematic designator R21)
R146 "Resistor" 0603#1 -225,625 r90 top (schematic designator R18)
R147 "Resistor" 0603#1 2729.4,644.88 r101.25 top (schematic designator R39)
R148 "Resistor" 0603#1 -2564.94,688.63 r348.75 top
R149 "Resistor" 0603#1 2567.64,689.16 r191.25 top
R150 "Resistor" 0603#1 -2550.31,762.19 r348.75 top
R151 "Resistor" 0603#1 -1925,775 r157.5 top (schematic designator R62)
R152 "Resistor" 0603#1 2553.01,762.72 r191.25 top
R153 "Resistor" 0603#1 -200,800 r270 top (schematic designator R41)
R154 "Resistor" 0603#1 -125,800 r270 top
R155 "Resistor" 0603#1 25,800 r270 top (schematic designator R43)
R156 "Resistor" 0603#1 100,800 r270 top
R157 "Resistor" 0603#1 325,800 r90 top (schematic designator R34)
R158 "Resistor" 0603#1 -2075,825 r157.5 top (schematic designator R61)
R159 "Resistor" 0603#1 -1900,850 r157.5 top (schematic designator R64)
R160 "Resistor" 0603#1 875,875 r135 top (schematic designator R37)
R161 "Resistor" 0603#1 -2050,900 r157.5 top (schematic designator R63)
R162 "Resistor" 0603#1 1425,950 r33.75 top (schematic designator R12)
R163 "Resistor" 0603#1 -1780.95,979.52 r236.25 top (schematic designator R40)
R164 "Resistor" 0603#1 1780.95,979.52 r303.75 top (schematic designator R35)
R165 "Resistor" 0603#1 675,1025 r146.25 top (schematic designator R42)
R166 "Resistor" 0603#1 -1905.67,1062.86 r236.25 top (schematic designator R43)
R167 "Resistor" 0603#1 1905.67,1062.86 r303.75 top (schematic designator R38)
R168 "Resistor" 0603#1 500,1125 r157.5 top (schematic designator R34)
R169 "Resistor" 0603#1 1028.42,1178.42 r225 top (schematic designator R35)
R170 "Resistor" 0603#1 -2344.58,1265.92 r326.25 top (schematic designator R36)
R171 "Resistor" 0603#1 -1586.5,1270.54 r56.25 top (schematic designator R37)
R172 "Resistor" 0603#1 1586.5,1270.54 r123.75 top (schematic designator R42)
R173 "Resistor" 0603#1 2342.29,1264.39 r213.75 top (schematic designator R36)
R174 "Resistor" 0603#1 -2078.77,1298.79 r146.25 top (schematic designator R40)
R175 "Resistor" 0603#1 2078.77,1298.79 r213.75 top (schematic designator R37)
R176 "Resistor" 0603#1 -2302.91,1328.29 r326.25 top (schematic designator R42)
R177 "Resistor" 0603#1 2300.62,1326.75 r213.75 top (schematic designator R34)
R178 "Resistor" 0603#1 -1711.22,1353.87 r56.25 top (schematic designator R44)
R179 "Resistor" 0603#1 775,1350 r236.25 top (schematic designator R34)
R180 "Resistor" 0603#1 1711.22,1353.87 r123.75 top (schematic designator R44)
R181 "Resistor" 0603#1 675,1400 r247.5 top (schematic designator R36)
R182 "Resistor" 0603#1 -1995.43,1423.51 r326.25 top (schematic designator R37)
R183 "Resistor" 0603#1 1995.43,1423.51 r33.75 top (schematic designator R40)
R184 "Resistor" 0603#1 -2385.98,1473.98 r236.25 top (schematic designator R39)
R185 "Resistor" 0603#1 -1270.54,1586.5 r213.75 top (schematic designator R40)
R186 "Resistor" 0603#1 1270.54,1586.5 r326.25 top (schematic designator R41)
R187 "Resistor" 0603#1 -2106.17,1617.77 r326.25 top (schematic designator R42)
R188 "Resistor" 0603#1 2108.46,1619.3 r213.75 top (schematic designator R43)
R189 "Resistor" 0603#1 2274.85,1640.27 r123.75 top (schematic designator R44)
R190 "Resistor" 0603#1 -2064.5,1680.13 r326.25 top (schematic designator R4)
R191 "Resistor" 0603#1 2066.79,1681.66 r213.75 top (schematic designator R5)
R192 "Resistor" 0603#1 -1353.87,1711.22 r213.75 top (schematic designator R6)
R193 "Resistor" 0603#1 1353.87,1711.22 r326.25 top (schematic designator R7)
R194 "Resistor" 0603#1 -979.52,1780.95 r33.75 top (schematic designator R8)
R195 "Resistor" 0603#1 979.52,1780.95 r146.25 top (schematic designator R9)
R196 "Resistor" 0603#1 -1062.86,1905.67 r33.75 top
R197 "Resistor" 0603#1 1062.86,1905.67 r146.25 top
R198 "Resistor" 0603#1 -566.7,1951.95 r191.25 top
R199 "Resistor" 0603#1 566.7,1951.95 r348.75 top
R200 "Resistor" 0603#1 -1423.51,1995.43 r123.75 top
R201 "Resistor" 0603#1 1423.51,1995.43 r236.25 top
R202 "Resistor" 0603#1 -223.42,2020.23 r11.25 top
R203 "Resistor" 0603#1 223.42,2020.23 r168.75 top
R204 "Resistor" 0603#1 -1681.66,2066.79 r303.75 top
R205 "Resistor" 0603#1 1680.13,2064.5 r236.25 top (schematic designator R11)